# Altium PCB VESC_DEVICE_60100.PcbDoc (continued)
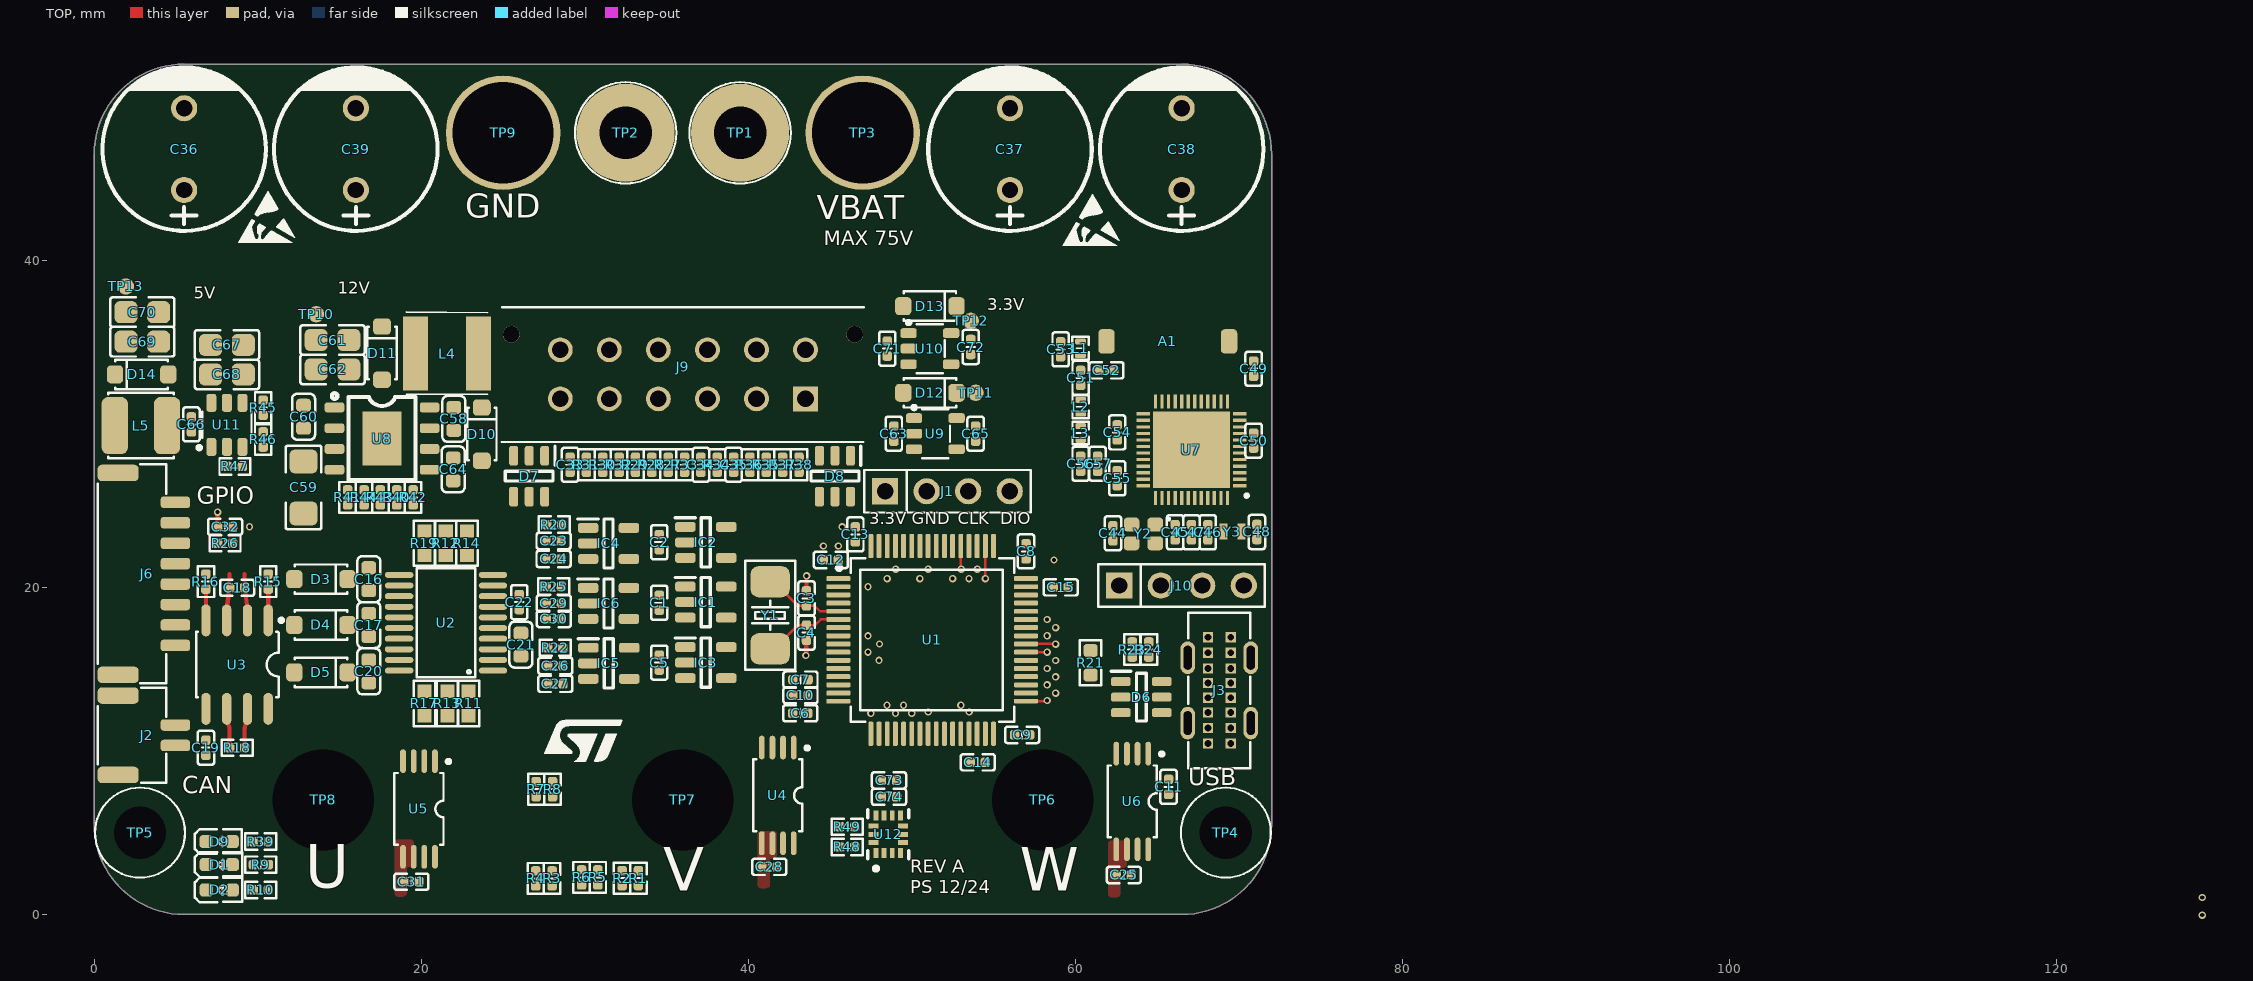
[diagram p0: TOP view]
## Footprints (in the part's own frame and the unit in brackets; to place one, negate y for a bottom-side part, rotate by r counter-clockwise, add the part's x,y. Pads: shape width x height; smd on the part's side, far side on the other; paste and mask are expansions set on the pad) (continued)
  rrect50% 1.475x0.3 smd: 17(5.739,-3.763) 18(5.739,-3.263) 19(5.739,-2.763) 20(5.739,-2.263) 21(5.739,-1.763) 22(5.739,-1.263) 23(5.739,-0.763) 24(5.739,-0.263) 25(5.739,0.237) 26(5.739,0.737) 27(5.739,1.237) 28(5.739,1.737) 29(5.739,2.237) 30(5.739,2.737) 31(5.739,3.237) 32(5.739,3.737) 49(-5.737,3.737) 50(-5.737,3.237) 51(-5.737,2.737) 52(-5.737,2.237) 53(-5.737,1.737) 54(-5.737,1.237) 55(-5.737,0.737) 56(-5.737,0.237) 57(-5.737,-0.263) 58(-5.737,-0.763) 59(-5.737,-1.263) 60(-5.737,-1.763) 61(-5.737,-2.263) 62(-5.737,-2.763) 63(-5.737,-3.263) 64(-5.737,-3.763)
  silkscreen extent -5,-5.83 5,5, body extent -5.97,-6 6.03,6, height 1.31
LQG15WH0N7B02D [mm]
  rrect50% 0.35x0.65 smd: 1(-0.425,0) 2(0.425,0)
  silkscreen extent -0.7,-0.5 0.7,0.5, body extent -0.5,-0.25 0.5,0.25, height 0.55
PQFN50P300X250X88-14N [mm]
  rect 0.6x0.3 smd: 1(-1.15,0.75) 2(-1.15,0.25) 3(-1.15,-0.25) 4(-1.15,-0.75) 8(1.15,-0.75) 9(1.15,-0.25) 10(1.15,0.25) 11(1.15,0.75)
  rect 0.3x0.6 smd: 5(-0.5,-0.9) 6(0,-0.9) 7(0.5,-0.9) 12(0.5,0.9) 13(0,0.9) 14(-0.5,0.9)
  silkscreen extent -2.22,-1.25 1.5,1.25, body extent -1.5,-1.25 1.5,1.25, height 1
Q22FA12800400 [mm]
  rrect50% 0.95x0.85 smd: 1(-0.725,-0.575) 2(0.725,-0.575) 3(0.725,0.575) 4(-0.725,0.575)
  silkscreen extent -1.6,-0.95 -1.5,-0.85, body extent -1.11,-0.91 1.11,0.91, height 0.6
QFN40P600X600X95-49N-D [mm]
  rect 0.85x0.2 smd: 1(-2.95,2.2) 2(-2.95,1.8) 3(-2.95,1.4) 4(-2.95,1) 5(-2.95,0.6) 6(-2.95,0.2) 7(-2.95,-0.2) 8(-2.95,-0.6) 9(-2.95,-1) 10(-2.95,-1.4) 11(-2.95,-1.8) 12(-2.95,-2.2) 25(2.95,-2.2) 26(2.95,-1.8) 27(2.95,-1.4) 28(2.95,-1) 29(2.95,-0.6) 30(2.95,-0.2) 31(2.95,0.2) 32(2.95,0.6) 33(2.95,1) 34(2.95,1.4) 35(2.95,1.8) 36(2.95,2.2)
  rect 0.2x0.85 smd: 13(-2.2,-2.95) 14(-1.8,-2.95) 15(-1.4,-2.95) 16(-1,-2.95) 17(-0.6,-2.95) 18(-0.2,-2.95) 19(0.2,-2.95) 20(0.6,-2.95) 21(1,-2.95) 22(1.4,-2.95) 23(1.8,-2.95) 24(2.2,-2.95) 37(2.2,2.95) 38(1.8,2.95) 39(1.4,2.95) 40(1,2.95) 41(0.6,2.95) 42(0.2,2.95) 43(-0.2,2.95) 44(-0.6,2.95) 45(-1,2.95) 46(-1.4,2.95) 47(-1.8,2.95) 48(-2.2,2.95)
  rect 4.7x4.7 smd: 49(0,0)
  silkscreen extent -3.47,2.7 -3.28,2.9, body extent -3.05,-3.05 3.05,3.05, height 0.95
R0402 [mm] "R0402"
  rrect52% 0.58x0.58 smd mask+0.05: 1(-0.46,0) 2(0.46,0)
  silkscreen extent -0.94,-0.5 0.94,0.5, body extent -0.5,-0.25 0.5,0.25, height 0.4
R0603#1 [mil] "R0603"
  rect 31.7x34 smd: 1(-29.6,0) 2(29.6,0)
  silkscreen extent -54,-26 54,26, body extent -31,-17 31,17, height 20
R0603#2 [mil] "R0603"
  rrect50% 31.7x34 smd: 1(-29.6,0) 2(29.6,0)
  silkscreen extent -55,-26 55,26, body extent -31,-17 31,17, height 20
SHORT [mil] "SHORT"
  rect 30x15 smd far side mask+0: 1(-14.9,0)
  rect 30x15 smd far side paste+0 mask+0: 2(14.9,0)
SMD5032-2P [mil] "SMD5032-2P"
  rrect50% 74.8x94.5 smd: 1(-80.7,0) 2(80.7,0)
  silkscreen extent -131,-60 131,60, body extent -98,-63 98,63, height 56
SMD-2P-1_25 [mil] "SMD-2P-1_25"
  rrect50% 27.6x70.9 smd: 1(-24.6,76.75) 2(24.6,76.75)
  rrect50% 39.4x98.4 smd: 3(-95.5,-61.05) 4(95.5,-61.05)
  silkscreen extent -114,-110 114,55, body extent -113,-109 113,85, height 165
SMD-8P-1_25 [mil] "SMD-8P-1_25"
  rrect50% 27.6x70.9 smd: 1(-172.2,76.75) 2(-123,76.75) 3(-73.8,76.75) 4(-24.6,76.75) 5(24.6,76.75) 6(73.8,76.75) 7(123,76.75) 8(172.2,76.75)
  rrect50% 39.4x98.4 smd: 9(-243.1,-61.05) 10(243.1,-61.05)
  silkscreen extent -264,-110 264,55, body extent -261,-105 261,90, height 163
SOD-123F [mm] "SOD-123F"
  rrect50% 1.001x1.1 smd: 1(-1.628,0) 2(1.628,0)
  silkscreen extent -1.6,-0.9 1.6,0.9, body extent -1.85,-0.9 1.85,0.9, height 1.19
SOP-8 [mil] "SOP-8"
  oval 22.4x76.81 smd: 1(-75,-106.5) 2(-25,-106.5) 3(25,-106.5) 4(75,-106.5) 5(75,106.5) 6(25,106.5) 7(-25,106.5) 8(-75,106.5)
  silkscreen extent -110,-111 98,79, body extent -96,-118 96,118, height 69
SOT95P275X110-5N [mm]
  rrect50% 1.25x0.6 smd: 1(-1.25,0.95) 2(-1.25,0) 3(-1.25,-0.95) 4(1.25,-0.95) 5(1.25,0.95)
  silkscreen extent -1.88,-1.5 0.28,1.5, body extent -1.38,-1.5 1.38,1.5, height 1.1
SOT95P280X145-6N [mm]
  rrect50% 1.2x0.55 smd: 1(-1.25,0.95) 2(-1.25,0) 3(-1.25,-0.95) 4(1.25,-0.95) 5(1.25,0) 6(1.25,0.95)
  silkscreen extent -1.85,-1.46 0.3,1.58, body extent -1.4,-1.46 1.4,1.46, height 1.45
SOT-23-5 [mm] "SOT-23-5"
  rrect50% 1.001x0.599 smd: 1(1.301,-0.95) 2(1.301,0) 3(1.301,0.95) 4(-1.301,0.95) 5(-1.301,-0.95)
  silkscreen extent -0.9,-1.7 1.4,1.5, body extent -1.4,-1.45 1.4,1.45, height 1.3
SOT-23-6 [mm] "SOT-23-6"
  rrect50% 1.1x0.599 smd: 1(1.349,-0.95) 2(1.349,0) 3(1.349,0.95) 4(-1.349,0.95) 5(-1.349,0) 6(-1.349,-0.95)
  silkscreen extent -0.8,-1.8 1.5,1.5, body extent -1.4,-1.45 1.4,1.45, height 0.97
test_point_100_smd [mm] "TEST_POINT_100_SMD"
  round 1 smd paste-100 mask+0.05: 1(0,0)
TSSOP-8 [mm] "TSSOP-8"
  oval 0.353x1.453 smd: 1(-0.975,-2.926) 2(-0.325,-2.926) 3(0.325,-2.926) 4(0.975,-2.926) 5(0.975,2.926) 6(0.325,2.926) 7(-0.325,2.926) 8(-0.975,2.926)
  silkscreen extent -1.9,-3 1.5,2.2, body extent -1.5,-3.2 1.5,3.2, height 1.2
TSSOP-20 [mil] "TSSOP-20"
  oval 14.29x68.58 smd: 1(-115.2,-113) 2(-89.6,-113) 3(-64,-113) 4(-38.4,-113) 5(-12.8,-113) 6(12.8,-113) 7(38.4,-113) 8(64,-113) 9(89.6,-113) 10(115.2,-113) 11(115.2,113) 12(89.6,113) 13(64,113) 14(38.4,113) 15(12.8,113) 16(-12.8,113) 17(-38.4,113) 18(-64,113) 19(-89.6,113) 20(-115.2,113)
  silkscreen extent -132,-70 132,70, body extent -128,-126 128,126, height 47
TYPE-C-TH_16PLC-H10.0 [mm]
  rect 0.62x0.62 hole 0.42 paste-2539.97 mask+0.05: A1(-3.25,0.7) A4(-2.3,0.7) A5(-1.35,0.7) A6(-0.45,0.7) A7(0.45,0.7) A8(1.35,0.7) A9(2.3,0.7) A12(3.25,0.7) B1(3.25,-0.7) B4(2.3,-0.7) B5(1.35,-0.7) B6(0.45,-0.7) B7(-0.45,-0.7) B8(-1.35,-0.7) B9(-2.3,-0.7) B12(-3.25,-0.7)
  oval 2x0.9 hole 0.5 slot 1.45 at 0 deg paste-2539.97 mask+0.05: A2(-2,1.93) A10(2,1.93) B2(2,-1.93) B10(-2,-1.93)
  silkscreen extent -4.75,-1.9 4.75,1.9, body extent -4.47,-2.08 4.47,2.08, height 10

## Part data
A1: library part "Ceramic _ANTENNA", "None", AMBIQ PN=PCB_ANTENNA
C1 C2 C3 C4 C5 C6 C7 C8 C9 C10 C11 C12 C13 C14 C15 C16 C17 C18 C19 C20 C21 C22 C23 C24 C25 C26 C27 C28 C29 C30 C31 C32 C33 C34 C35 C44 C45 C46 C47 C48 C49 C50 C51 C52 C53 C54 C55 C56 C57 C58 C59 C60 C61 C62 C63 C64 C65 C66 C67 C68 C69 C70 C71 C72 C73 C74: library part "CAP NP"
  C1 C2 C3 C4 C5 C6 C7 C8 C9 C10 C11 C12 C13 C14 C15 C18 C19 C22 C23 C24 C25 C26 C27 C28 C29 C30 C31 C32 C33 C34 C35 C44 C45 C46 C47 C48 C49 C50 C51 C52 C53 C54 C55 C56 C57 C63 C65 C66 C71 C72 C73 C74: PCB Footprint=C0402
  C16 C17 C20 C21 C58 C60 C64: PCB Footprint=C0603
  C59: PCB Footprint=C1206
  C61 C62 C67 C68 C69 C70: PCB Footprint=C0805
C36 C37 C38 C39: library part ERS1VM681G16OT, "容值:680uF;精度:±20%;额定电压:35V;纹波电流:-;等效串联电阻:-;", Equivalent Series Resistance(ESR)=-, LCSC Part Name="680uF ±20% 35V", Manufacturer=AISHI(艾华集团), Rated Voltage=35V, Tolerance=±20%, Add into BOM=yes, Convert to PCB=yes, Datasheet=https://atta.szlcsc.com/upload/public/pdf/source/20191015/C438940_4B8E60A742BB0AE40DDEF87A5C89089D.pdf, Device=ERS1VM681G16OT, L=-, Lead Spacing=-, Lifetime @ Temp=-, Manufacturer Part=ERS1VM681G16OT, Ripple Current=-, Supplier=LCSC, Supplier Footprint=插件,D10xL16mm, Supplier Part=C721283, Symbol=ERS1VM681G16OT, φD=-
D1 D2 D9: library part LED, PCB Footprint=LED0603
D3 D4 D5 D10 D11 D12 D13 D14: library part "DIODE SCHOTTKY21", PCB Footprint=SOD-123F
D6 D7 D8: "TVS Diode (Uni-directional)", Manufacturer_Name=LITTELFUSE, Mouser Part Number=576-SRV05-4HTG, Arrow Part Number=SRV05-4HTG, Arrow Price/Stock=https://www.arrow.com/en/products/srv05-4htg/littelfuse?region=nac, Datasheet Link=https://componentsearchengine.com/Datasheets/2/SRV05-4HTG.pdf, Height=1.45mm, Manufacturer_Part_Number=SRV05-4HTG, Mouser Price/Stock=https://www.mouser.co.uk/ProductDetail/Littelfuse/SRV05-4HTG?qs=TI15CVqcli3Liexbf3C%2FVA%3D%3D
IC1 IC2 IC3 IC4 IC5 IC6: "Integrated Circuit", Manufacturer_Name=onsemi, Mouser Part Number=N/A, Datasheet Link=https://pdf1.alldatasheet.com/datasheet-pdf/view/148919/ETL/MC74VHC1GT66.html, Height=1.1mm, Manufacturer_Part_Number=MC74VHC1GT66, Mouser Price/Stock=https://www.mouser.co.uk/ProductDetail/onsemi/MC74VHC1GT66?qs=YA77FY0Msbu77w80Y0DYXA%3D%3D
J3: "连接器类型:Type-C;标准:USB 3.1;公母:母;安装方式:直插;触点数量:16P;端口数量:1;额定电流 - 电源:5A;触头材质:-;触头镀层:-;工作温度范围:-40℃~+85℃;", Core Colour=黑色, Current Rating - Power (Max)=5A, LCSC Part Name="Type-C 母 直插", Manufacturer="SHOU HAN(首韩)", Operating Temperature Range=-40℃~+85℃, Rated Voltage (Max)=20V, Add into BOM=yes, Connect-Disconnect Life=1万次, Connector Type=Type-C, Contact Material=-, Contact Plating=-, Convert to PCB=yes, Datasheet=https://atta.szlcsc.com/upload/public/pdf/source/20240529/CC9428849977884A813B584EA396EFE9.pdf, Device="TYPE-C 16PLC-H10.0", Gender=母, Manufacturer Part="TYPE-C 16PLC-H10.0", Mounting Style=直插, Number of Contacts=16P, Number of Ports=1, Standard="USB 3.1", Supplier=LCSC, Supplier Footprint=插件, Supplier Part=C3151747, Symbol="TYPE-C 16PLC-H10.0"
J4 J5 J7 J8 J11 J12: Color=黑色, Current Rating (Max)=1A, JLCPCB Part Class="Extended Part", LCSC Part Name="2x2P 间距:1.27mm 方针 立贴", Manufacturer=HCTL(华灿天禄), Operating Temperature Range=-40℃~+105℃, Soldering Temperature(Max)=260℃@10S, Add into BOM=yes, Circluar Pins/Square Pins=方针, Contact Material=黄铜, Convert to PCB=yes, Datasheet=https://atta.szlcsc.com/upload/public/pdf/source/20230609/2ACB07ADC7D4DAF6D292F3D23C037F6C.pdf, Device=PZ127-2-02-S, Insulation Height=1.5mm, Length of End Connection Pin=-, Length of Mating Pin=4mm, Manufacturer Part=PZ127-2-02-S, Mounting Type=立贴, Number of Pins=4P, Number of Rows=双排, Pin Structure=2x2P, Pitch=1.27mm, Row Spacing=1.27mm, Supplier=LCSC, Supplier Footprint=SMD,P=1.27mm, Supplier Part=C3975185, Symbol=PZ127-2-02-S
J9: "Connector", Manufacturer_Name=Molex, Mouser Part Number=538-43045-1212, Datasheet Link=https://www.molex.com/pdm_docs/sd/430450612_sd.pdf, Height=9.91mm, Manufacturer_Part_Number=43045-1212, Mouser Price/Stock=https://www.mouser.co.uk/ProductDetail/Molex/43045-1212?qs=359VwiUTsp27ERpkj8aHfQ%3D%3D
JP1 JP2: library part SHORT, "2 PIN SHORTED TO CONNECT DIFFERENT NETS", CLASS=DISCRETE, PART_NUMBER=TMP-442
L1 L2 L3: library part LQG15HS4N7C02D, "Inductor", Manufacturer_Name="Murata Electronics", Mouser Part Number=81-LQG15HS4N7C02D, Arrow Part Number=LQG15HS4N7C02D, Arrow Price/Stock=https://www.arrow.com/en/products/lqg15hs4n7c02d/murata-manufacturing, Datasheet Link=https://search.murata.co.jp/Ceramy/image/img/P02/JELF243B-0010.pdf, Height=0.6mm, Manufacturer_Part_Number=LQG15HS4N7C02D, Mouser Price/Stock=https://www.mouser.co.uk/ProductDetail/Murata-Electronics/LQG15HS4N7C02D?qs=60uY6ySkanQsgm4t8ngjFA%3D%3D
L4: library part 74404054221, "Inductor", Manufacturer_Name="Wurth Elektronik", Mouser Part Number=710-74404054221, Datasheet Link=https://www.mouser.com/datasheet/2/445/74404054221-1280555.pdf, Height=4mm, Manufacturer_Part_Number=74404054221, Mouser Price/Stock=https://www.mouser.co.uk/ProductDetail/Wurth-Elektronik/74404054221?qs=f9yNj16SXrLBSuRgk86STQ%3D%3D
L5: library part INDUCTOR, PCB Footprint=L4020
R1 R2 R3 R4 R5 R6 R7 R8 R9 R10 R11 R12 R13 R14 R15 R16 R17 R18 R19 R20 R21 R22 R23 R24 R25 R26 R27 R28 R29 R30 R31 R32 R33 R34 R35 R36 R37 R38 R39 R40 R41 R42 R43 R44 R45 R46 R47 R48 R49: library part RESISTOR
  R1 R2 R3 R4 R5 R6 R7 R8 R9 R10 R11 R12 R13 R14 R15 R16 R17 R18 R19 R20 R22 R23 R24 R25 R26 R27 R28 R29 R30 R31 R32 R33 R34 R35 R36 R37 R38 R39 R40 R41 R42 R43 R44 R45 R46 R47 R48 R49: PCB Footprint=R0402
  R21: PCB Footprint=R0603
U7: "Integrated Circuit", Arrow Part Number=NRF51822-QFAA-R, Manufacturer_Name="Nordic Semiconductor", Mouser Part Number=949-NRF51822-QFAA-R, Arrow Price/Stock=https://www.arrow.com/en/products/nrf51822-qfaa-r/nordic-semiconductor?utm_currency=USD&region=nac, Datasheet Link=https://datasheet.datasheetarchive.com/originals/distributors/Datasheets-DGA5/435665.pdf, Height=0.95mm, Manufacturer_Part_Number=nRF51822-QFAA-R, Mouser Price/Stock=https://www.mouser.co.uk/ProductDetail/Nordic-Semiconductor/nRF51822-QFAA-R?qs=7xCC5jQa1OJP%2FZdtChopZw%3D%3D
U8: Input Voltage=4.5V~100V, LCSC Part Name=宽输入范围1.2A降压DC-DC转换器, Manufacturer=SCT(芯洲科技), Operating Temperature=-40℃~+125℃@(TJ), Output Current=1.2A, Switching Frequency=300kHz, Add into BOM=yes, Convert to PCB=yes, Datasheet=https://atta.szlcsc.com/upload/public/pdf/source/20211013/6F4F933FB08DD1E1458E8CCC6D5C6936.pdf, Device=SCT2A23ASTER, Function=降压型, Manufacturer Part=SCT2A23ASTER, Number of Outputs=1, Supplier=LCSC, Supplier Footprint=ESOP-8, Supplier Part=C2901894, Switch tube (built-in/external)=内置, Symbol=SCT2A23ASTER
U12: "Integrated Circuit", Manufacturer_Name=BOSCH, Mouser Part Number=262-BMI160, Arrow Part Number=BMI160, Arrow Price/Stock=https://www.arrow.com/en/products/bmi160/bosch?region=nac, Datasheet Link=https://datasheet.datasheetarchive.com/originals/distributors/DKDS41/DSANUWW0031095.pdf, Height=0.88mm, Manufacturer_Part_Number=BMI160, Mouser Price/Stock=https://www.mouser.co.uk/ProductDetail/Bosch-Sensortec/BMI160?qs=Lj1LZLjqIN1DEsUDgjehlg%3D%3D
Y1: library part CRYSTAL, PCB Footprint=SMD5032-2P
Y2: library part Q22FA12800400, "Crystal or Oscillator", Manufacturer_Name="Seiko Epson Corporation", Datasheet Link=https://datasheet.lcsc.com/szlcsc/Seiko-Epson-Q22FA12800400_C255875.pdf, Height=0.5mm, Manufacturer_Part_Number=Q22FA12800400
Y3: library part ABS05-32.768KHZ-9-T, "Crystal or Oscillator", Manufacturer_Name=ABRACON, Mouser Part Number=815-ABS05-32.768K9T, Arrow Part Number=ABS05-32.768KHZ-9-T, Arrow Price/Stock=https://www.arrow.com/en/products/abs05-32.768khz-9-t/abracon?region=nac, Datasheet Link=https://abracon.com/Resonators/ABS05.pdf, Height=0.5mm, Manufacturer_Part_Number=ABS05-32.768KHZ-9-T, Mouser Price/Stock=https://www.mouser.co.uk/ProductDetail/ABRACON/ABS05-32.768KHZ-9-T?qs=Pyu0ZBy%2FIJbsNYnIET1z3A%3D%3D
J1 J10: PCB Footprint=ISP-4P-2_54
J2: PCB Footprint=SMD-2P-1_25
U1: PCB Footprint=LQFP64_10X10_05P
U3: PCB Footprint=SOP-8
U4 U5 U6: PCB Footprint=TSSOP-8
U9 U10: PCB Footprint=SOT-23-5
U11: PCB Footprint=SOT-23-6

## Via types
v1: diameter 0.45, hole 0.25, TOP to BOTTOM, tented both sides, 43 vias

## Nets (pads, with @x,y where several pads share a name; then routed paths per layer and width w, separated by ;. In a path a pad name is that pad's centre, name@x,y a point inside that pad or via, vN(x,y) a via of type N, cw(c..) or ccw(c..) an arc to the next point about the centre after c; other vN are vias at no path point)
3V3: C8.2 C9.2 C10.2 C11.2 C12.2 C13.2 C19.1 C25.2 C28.2 C31.2 C72.1 C73.1 C74.1 D7.5 D8.5 D13.1 IC1.5 IC2.5 IC3.5 IC4.5 IC5.5 IC6.5 J1.1 J6.7 J12.4 R27.2 R28.2 R29.2 R31.2 R37.2 R38.1 R48.2 R49.2 TP12.1 U1.1 U1.13 U1.19 U1.32 U1.48 U1.64 U3.5 U4.5 U4.6 U5.5 U5.6 U6.5 U6.6 U10.5 U12.5 U12.8 U12.12 | length 0.1
  TOP w0.508: U3.5 U3.5@6.832,12.657
  other v1: 48.483,12.792 58.695,21.678 45.506,22.526
3V3_RF: C49.2 C50.2 C55.2 C65.1 D12.1 J10.1 TP11.1 U7.1 U7.12 U7.35 U7.36 U9.5
5V: C18.2 C63.1 C69.1 C70.1 C71.1 D6.5 D14.1 J6.6 L5.2 R21.2 R35.2 R36.1 R46.2 TP13.1 U3.3 U9.1 U9.3 U10.1 U10.3 | length 2.8
  TOP w0.254: U3.3 8.102,18.672 8.102,18.674 8.26,19.836 C18.2@8.277,19.962 ; C18.2 8.277,20.816
12V: C21.2 C22.2 C61.1 C62.1 C67.1 C68.1 D3.2 D4.2 D5.2 D11.1 L4.2 R40.2 R45.2 TP10.1 U2.7 U11.5
ADC_TEMP: J4.4 U1.17
ADC_TEMP2: J5.4 U1.26
ADC_TEMP3: J8.4 U1.27
ADC_VIN: C7.2 R7.1 R8.2 U1.11
  other v1: 47.994,15.538
BMI160_SCL: R49.1 U1.50 U12.13 | length 2
  TOP w0.152: v1(54.494,20.538) U1.50
BMI160_SDA: R48.1 U1.28 U12.14
BUCK_EN: J9.11 R32.2 R41.2
CAN_H: J2.2 R18.1 U3.7 | length 2.2
  TOP w0.254: R18.1@9.197,10.45 9.197,11.309 cw(c9.959,11.309) 9.255,11.602 9.372,11.88 U3.7
CAN_L: J2.1 R18.2 U3.6 | length 2.2
  TOP w0.254: U3.6 8.102,11.88 8.218,11.604 cw(c7.515,11.309) 8.277,11.311 R18.2@8.277,10.45
CAN_RX: R16.2 U1.61
  other v1: 49.009,21.117
CAN_TX: R15.2 U1.62
  other v1: 48.486,20.538
CLK_NRF: J10.3 U7.24
CURRENT_A: C23.2 IC4.1 R20.1 U1.8
  other v1: 47.319,17.038
CURRENT_A_OUT: R20.2 U4.8
CURRENT_B: C26.2 IC5.1 R22.1 U1.9
  other v1: 48.022,16.536
CURRENT_B_OUT: R22.2 U5.8
CURRENT_C: C29.2 IC6.1 R25.1 U1.10
  other v1: 47.319,16.039
CURRENT_C_OUT: R25.2 U6.8
CURRENT_FILTER: IC4.4 IC5.4 IC6.4 U1.54
DIO_NRF: J10.2 U7.23
GHA: J4.1 R17.1
GHB: J8.1 R13.1
GHC: J7.2 R11.1
GLA: J4.2 R19.1
GLB: J8.2 R14.1
GLC: J7.1 R12.1
GND: C3.1 C4.1 C6.2 C7.1 C8.1 C9.1 C10.1 C11.1 C12.1 C13.1 C14.2 C15.2 C18.1 C19.2 C21.1 C22.1 C23.1 C24.1 C25.1 C26.1 C27.1 C28.1 C29.1 C30.1 C31.1 C32.1 C33.2 C34.1 C35.1 C44.2 C45.2 C46.2 C47.2 C48.2 C49.1 C50.1 C52.1 C53.1 C54.1 C55.1 C56.1 C57.1 C59.2 C60.2 C61.2 C62.2 C63.2 C64.2 C65.2 C67.2 C68.2 C69.2 C70.2 C71.2 C72.2 C73.2 C74.2 D1.1 D2.1 D6.2 D7.2 D8.2 D9.1 D10.2 D11.2 D12.2 D13.2 D14.2 IC1.2 IC1.3 IC2.2 IC2.3 IC3.2 IC3.3 IC4.3 IC5.3 IC6.3 J1.2 J2.3 J2.4 J3.A1 J3.A2 J3.A10 J3.A12 J3.B1 J3.B2 J3.B10 J3.B12 J5.2 J6.8 J6.9 J6.10 J9.1 J9.7 J10.4 JP1.1 JP2.1 R2.1 R4.1 R6.1 R8.1 R43.1 R44.1 R47.1 U1.12 U1.18 U1.60 U1.63 U2.8 U3.2 U3.8 U4.4 U4.7 U5.4 U5.7 U6.4 U6.7 U7.13 U7.33 U7.34 U7.49 U8.1 U8.9 U9.2 U10.2 U11.2 U12.1 U12.6 U12.7 Y2.2 Y2.4 | length 5.6
  TOP w0.254: C32.1 7.542,23.711 7.542,24.597 v1(7.544,24.598) ; 9.197,20.816 C18.1 9.215,19.836 9.372,18.672 U3.2 ; v1(43.52,15.831) 43.539,15.85 43.539,16.75 C4.1 ; C3.1 43.561,19.792 43.561,20.698 v1(43.564,20.701)
  other v1: 128.91,-0.04 128.91,1.039 47.494,12.303 52.994,12.792 44.593,22.526 45.746,23.698
HA: U1.41 U2.1
  other v1: 58.278,17.041
HALL_A: D8.1 J9.5 R29.1 U1.37
  other v1: 58.278,15.041
HALL_B: D8.3 J9.4 R28.1 U1.38
  other v1: 58.795,15.529
HALL_C: D8.6 J9.3 R27.1 U1.39 | length 1.3
  TOP w0.152: U1.39 58.23,16.038 ccw(c58.229,16.496) v1(58.278,16.041)
HB: U1.42 U2.2
  other v1: 58.795,17.541
HC: U1.43 U2.3
LA: U1.34 U2.4
  other v1: 58.795,13.533
LB: U1.35 U2.5
  other v1: 58.278,14.035
LC: U1.36 U2.6
  other v1: 58.795,14.53
LED_GREEN: R9.1 U1.57
  other v1: 50.996,21.117
LED_RED: R10.1 U1.59
M_TEMP: C33.1 D8.4 J9.6 R31.1 U1.24
  other v1: 51.002,12.382
MISO_ADC_EXT2: C35.2 D7.1 R34.2 U1.22
  other v1: 49.994,12.303
NetA1_1: A1.1 C53.2 L1.1
NetC1_1: C1.1 IC1.1
NetC2_1: C2.1 IC2.1
NetC3_2: C3.2 U1.5 Y1.2 | length 4.9
  TOP w0.152: Y1.2 41.563,20.345 43.039,18.869 44.064,18.869 44.395,18.538 U1.5
NetC4_2: C4.2 U1.6 Y1.1 | length 4.9
  TOP w0.152: Y1.1 41.586,16.245 43.029,17.689 C4.2 44.082,17.689 44.432,18.038 U1.6
NetC5_1: C5.1 IC3.1
NetC14_1: C14.1 U1.31
NetC15_1: C15.1 U1.47
NetC24_2: C24.2 IC4.2
NetC27_2: C27.2 IC5.2
NetC30_2: C30.2 IC6.2
NetC44_1: C44.1 U7.37 Y2.3
NetC45_1: C45.1 U7.38 Y2.1
NetC46_1: C46.1 U7.45 Y3.2
NetC47_1: C47.1 U7.39
NetC48_1: C48.1 U7.46 Y3.1
NetC51_1: C51.1 C52.2 L1.2
NetC51_2: C51.2 L2.2 U7.32
NetC54_2: C54.2 U7.29
NetC56_2: C56.2 C57.2 L3.1 U7.30
NetC58_1: C58.1 U8.7
NetC58_2: C58.2 D10.1 L4.1 U8.8
NetC64_1: C64.1 U8.6
NetC66_1: C66.1 L5.1 U11.6
NetC66_2: C66.2 U11.1
NetD1_2: D1.2 R9.2
NetD2_2: D2.2 R10.2
NetD9_2: D9.2 R39.1
NetJ3_A4: J3.A4 J3.A9 J3.B4 J3.B9 R21.1
NetJ3_A6: J3.A6 J3.B6 R23.1
NetJ3_A7: J3.A7 J3.B7 R24.1
NetJ5_3: J5.3 JP1.2
NetJ6_3: J6.3 R26.2
NetJ9_2: J9.2 R35.1 R37.1
NetJ9_8: J9.8 R36.2 R38.2
NetJ9_9: J9.9 R34.1
NetJ9_10: J9.10 R33.1
NetJ9_12: J9.12 R30.2
NetL2_1: L2.1 L3.2 U7.31
NetR11_2: R11.2 U2.13
NetR12_2: R12.2 U2.9
NetR13_2: R13.2 U2.16
NetR14_2: R14.2 U2.10
NetR15_1: R15.1 U3.1 | length 1.9
  TOP w0.254: U3.1 10.642,19.757 R15.1
NetR16_1: R16.1 U3.4 | length 1.9
  TOP w0.254: U3.4 6.832,19.757 R16.1
NetR17_2: R17.2 U2.19
NetR19_2: R19.2 U2.11
NetR39_2: R39.2 U7.7
NetR40_1: R40.1 R42.2 R43.2
NetR41_1: R41.1 R44.2 U8.3
NetR42_1: R42.1 U8.5
NetR45_1: R45.1 U11.4
NetR46_1: R46.1 R47.2 U11.3
NRST: C6.1 U1.7
PB12: U1.33 | length 1.3
  TOP w0.152: U1.33 58.202,13.038 ccw(c58.2,13.496) 58.278,13.045 v1(58.278,13.081)
PC9: IC1.4 IC2.4 IC3.4 U1.40 | length 1.8
  TOP w0.152: U1.40 57.643,16.538 58.714,16.538 cw(c58.712,16.081) v1(58.795,16.531)
PC12: U1.53 | length 1.4
  TOP w0.152: U1.53 52.994,21.274 ccw(c53.451,21.274) v1(53.021,21.117)
PGND: C36.2 C37.2 C38.2 C39.2 TP2.1 TP9.1
PHA: J11.3 U4.3
PHB: J12.3 U5.3
PHC: J11.4 U6.3
RX_SDA_NSS: D7.3 J6.1 U1.20 U1.30
  other v1: 48.998,12.303
SCK_ADC_EXT: C34.2 D7.6 R33.2 U1.21
  other v1: 49.494,12.792
SERVO: C32.2 R26.1 U1.58
  other v1: 50.494,20.538 9.5,23.709
SHA: C20.1 J4.3 R5.2 U2.18 U4.2
SHB: C17.1 J8.3 R3.2 U2.15 U5.2
SHC: C16.1 J7.4 R1.2 U2.12 U6.2
SHUTDOWN: R32.1 U1.25
SWCLK: J1.3 U1.49
SWDIO: J1.4 U1.46
TX_SCL_MOSI: D7.4 J6.2 U1.23 U1.29
  other v1: 53.501,12.382
UART_RX: J6.5 U1.52 U7.15
  other v1: 53.494,20.538 54.009,21.117
UART_TX: J6.4 U1.51 U7.17
USB_DM: D6.6 R24.2 U1.44
USB_DP: D6.1 R23.2 U1.45
VB1: C20.2 D5.1 U2.20
VB2: C17.2 D4.1 U2.17
VB3: C16.2 D3.1 U2.14
VBAT: C36.1 C37.1 C38.1 C39.1 TP1.1 TP3.1
VIN: C59.1 C60.1 J5.1 R7.2 R30.1 U8.2
VOLTAGE_A: C1.2 R5.1 R6.2 U1.14
VOLTAGE_B: C2.2 R3.1 R4.2 U1.15
VOLTAGE_C: C5.2 R1.1 R2.2 U1.16
pads on no net: A1.NC D6.3 D6.4 J3.A5 J3.A8 J3.B5 J3.B8 J7.3 J9.13 J9.14 J11.1 J11.2 J12.1 J12.2 JP2.2 TP4.1 TP5.1 TP6.1 TP7.1 TP8.1 U1.2 U1.3 U1.4 U1.55 U1.56 U4.1 U5.1 U6.1 U7.2 U7.3 U7.4 U7.5 U7.6 U7.8 U7.9 U7.10 U7.11 U7.14 U7.16 U7.18 U7.19 U7.20 U7.21 U7.22 U7.25 U7.26 U7.27 U7.28 U7.40 U7.41 U7.42 U7.43 U7.44 U7.47 U7.48 U8.4 U9.4 U10.4 U12.2 U12.3 U12.4 U12.9 U12.10 U12.11
copper on no net:
  other v1: 58.278,18.035 47.319,20.038 52.494,20.538

## Polygon pours and split planes (outlines as drawn)
3V3 on TOP "3V3_L01_P038" (solid, pour order 38): 18.588,1.091 cw(c18.588,1.293) 18.385,1.294 18.385,4.405 cw(c18.538,4.405) 18.538,4.557 19.375,4.557 cw(c19.375,4.404) 19.528,4.404 19.528,3.1 cw(c19.321,3.1) 19.32,2.892 19.249,2.912 ccw(c19.249,2.779) 19.116,2.779 19.116,1.306 cw(c18.901,1.306) 18.901,1.091
3V3 on TOP "3V3_L01_P037" (solid, pour order 37): 62.212,1.039 cw(c62.212,1.242) 62.01,1.242 62.01,4.353 cw(c62.163,4.353) 62.163,4.506 63,4.506 cw(c63,4.352) 63.153,4.352 63.153,3.048 cw(c62.966,3.048) 62.966,2.86 62.874,2.86 ccw(c62.874,2.727) 62.74,2.727 62.74,1.254 cw(c62.526,1.254) 62.526,1.04
3V3 on TOP "3V3_L01_P012" (solid, pour order 12): 40.792,1.614 cw(c40.792,1.816) 40.59,1.816 40.59,4.927 cw(c40.743,4.927) 40.743,5.08 41.58,5.08 cw(c41.58,4.926) 41.733,4.926 41.733,3.622 cw(c41.546,3.622) 41.545,3.434 41.454,3.434 ccw(c41.454,3.301) 41.32,3.301 41.32,1.828 cw(c41.106,1.828) 41.106,1.614
no net on Top Overlay "Bottom Overlay-No Net" (solid): 225 vertices, not listed, extent 28.944,9.351 30.763,11.053
no net on Top Overlay "Bottom Overlay-No Net" (solid): 192 vertices, not listed, extent 30.58,9.352 31.954,11.053
no net on Top Overlay "Bottom Overlay-No Net" (solid): 256 vertices, not listed, extent 27.53,9.814 32.299,11.891

## Keep-outs
Keep-Out Layer:
  lines w0.025: 66.5,52 cw(c66.5,46.5) 72,46.5 72,5.5 cw(c66.5,5.5) 66.5,0 5.5,0 cw(c5.5,5.5) 0,5.5 0,46.5 cw(c5.5,46.5) 5.5,52 66.5,52 ; 66.5,52 66.5,52

## Silkscreen, mask and mechanical layers (free items; w line width, h text height)
Top Overlay:
  drawing of 6 lines, arcs and shapes, not listed
  text "GND" at 22.7,42.127 h2.54
  text "VBAT" at 44.2,42.027 h2.54
  text "MAX 75V" at 44.6,40.616 h1.52
  text "12V" at 14.901,37.713 h1.27
  text "5V" at 6.101,37.413 h1.27
  text "3.3V" at 54.6,36.713 h1.27
  text "GPIO" at 6.26,24.738 h1.78
  text "3.3V" at 47.4,23.613 h1.27
  text "GND" at 50,23.613 h1.27
  text "CLK" at 52.8,23.613 h1.27
  text "DIO" at 55.4,23.613 h1.27
  text "USB" at 66.895,7.538 h1.78
  text "CAN" at 5.395,7.038 h1.78
  text "REV A" at 49.89,2.541 h0.8
  text "PS 12/24" at 49.901,1.3 h0.8
  text "U" at 12.9,0.749 h4.57
  text "V" at 34.8,0.549 h4.57
  text "W" at 56.6,0.549 h4.57
Bottom Overlay:
  text "ADC1" at 30.5,36.016 h1.52
  text "ADC2" at 34.7,36.016 h1.52
  text "GND" at 38.2,36.016 h1.52
  text "P_EN" at 42.4,36.016 h1.52
  text "GND" at 27.7,29.364 h1.52
  text "5V" at 30.699,29.364 h1.52
  text "H_A" at 34,29.364 h1.52
  text "H_B" at 37.3,29.364 h1.52
  text "H_C" at 40.4,29.364 h1.52
  text "TEMP" at 44.599,29.38 h1.52
  text "3.3V" at 48.1,29.364 h1.52
  text "Field-oriented controlleer" at 49.689,22.21 h2.54
DESIGN_OUTLINE:
  circle w0.127: c25,47.8 r3.1
  circle w0.127: c69.2,5 r1.6
  circle w0.127: c58,7 r3.25
  circle w0.127: c36,7 r3.25
  circle w0.127: c14,7 r3.25
  circle w0.127: c47,47.8 r3.1
  circle w0.127: c2.8,5 r1.6
DRAWING_ORIGIN:
  lines w0.025: 10.865,2.5 12.135,2.5 ; 11.5,1.865 11.5,3.135
Drill Drawing:
  circle w0.254: c15.525,66.06 r0.7
  lines w0.254: 14.825,68.509 15.525,68.859 16.224,68.509 15.874,69.208 16.224,69.908 15.525,69.558 14.825,69.908 15.175,69.208 14.825,68.509 ; 14.825,71.657 14.825,72.007 15.175,72.357 14.825,72.707 14.825,73.057 15.175,73.057 15.525,72.707 15.874,73.057 16.224,73.057 16.224,72.707 15.874,72.357 16.224,72.007 16.224,71.657 15.874,71.657 15.525,72.007 15.175,71.657 14.825,71.657 ; 14.825,75.506 15.525,74.806 16.224,75.506 15.525,76.205 14.825,75.506 ; 14.825,78.304 15.175,78.304 15.175,77.954 15.874,77.954 15.874,78.304 16.224,78.304 16.224,79.004 15.874,79.004 15.874,79.354 15.175,79.354 15.175,79.004 14.825,79.004 14.825,78.304 ; 14.825,82.502 16.224,82.502 15.525,81.103 14.825,82.502 ; 14.825,84.601 15.175,84.601 15.525,84.251 15.874,84.601 16.224,84.601 15.874,84.951 16.224,85.301 15.874,85.301 15.525,85.651 15.175,85.301 14.825,85.301 15.175,84.951 14.825,84.601 ; 14.825,88.799 16.224,88.799 15.525,87.4 14.825,88.799 ; 14.825,90.548 16.224,90.548 16.224,91.948 14.825,91.948 14.825,90.548 ; 14.825,94.047 15.175,94.047 15.525,93.697 15.874,94.047 16.224,94.047 15.874,94.397 16.224,94.746 15.874,94.746 15.525,95.096 15.175,94.746 14.825,94.746 15.175,94.397 14.825,94.047 ; 15.105,82.222 15.944,82.222 15.525,81.383 15.105,82.222 ; 15.105,84.741 15.315,84.741 15.525,84.531 15.734,84.741 15.944,84.741 15.734,84.951 15.944,85.161 15.734,85.161 15.525,85.371 15.315,85.161 15.105,85.161 15.315,84.951 15.105,84.741 ; 15.105,90.828 15.944,90.828 15.944,91.668 15.105,91.668 15.105,90.828
  lines w0.381: 13.556,64.416 119.83,64.416 ; 13.556,95.901 119.83,95.901 ; 21.652,61.267 21.652,99.049 ; 28.969,61.267 28.969,99.049 ; 43.616,61.267 43.616,99.049 ; 49.895,61.267 49.895,99.049 ; 59.036,61.267 59.036,99.049 ; 71.541,61.267 71.541,99.049 ; 79.03,61.267 79.03,99.049 ; 88.816,61.267 88.816,99.049 ; 102.692,61.267 102.692,99.049 ; 13.556,61.267 119.83,61.267 119.83,99.049 13.556,99.049 13.556,61.267
  text "Symbol" at 15.445,96.845 h1.83
  text "Count" at 22.597,96.845 h1.83
  text "Hole Size" at 29.913,96.845 h1.83
  text "Plated" at 44.561,96.845 h1.83
  text "Hole Type" at 50.84,96.845 h1.83
  text "Drill Layer Pair" at 59.981,96.845 h1.83
  text "Via/Pad" at 72.486,96.845 h1.83
  text "Pad Shape" at 79.975,96.845 h1.83
  text "Hole Length" at 89.761,96.845 h1.83
  text "Routed Path Length" at 103.637,96.845 h1.83
  text "2" at 22.597,93.697 h1.52
  text "40.16mil (1.020mm)" at 29.913,93.697 h1.52
  text "NPTH" at 44.561,93.697 h1.52
  text "Round" at 50.84,93.697 h1.52
  text "TOP - BOTTOM" at 59.981,93.697 h1.52
  text "Pad" at 72.486,93.697 h1.52
  text "Rounded" at 79.975,93.697 h1.52
  text "-" at 89.761,93.697 h1.52
  text "-" at 103.637,93.697 h1.52
  text "2" at 22.597,90.548 h1.52
  text "125.98mil (3.200mm)" at 29.913,90.548 h1.52
  text "NPTH" at 44.561,90.548 h1.52
  text "Round" at 50.84,90.548 h1.52
  text "TOP - BOTTOM" at 59.981,90.548 h1.52
  text "Pad" at 72.486,90.548 h1.52
  text "Rounded" at 79.975,90.548 h1.52
  text "-" at 89.761,90.548 h1.52
  text "-" at 103.637,90.548 h1.52
  text "2" at 22.597,87.4 h1.52
  text "125.98mil (3.200mm)" at 29.913,87.4 h1.52
  text "PTH" at 44.561,87.4 h1.52
  text "Round" at 50.84,87.4 h1.52
  text "TOP - BOTTOM" at 59.981,87.4 h1.52
  text "Pad" at 72.486,87.4 h1.52
  text "Rounded" at 79.975,87.4 h1.52
  text "-" at 89.761,87.4 h1.52
  text "-" at 103.637,87.4 h1.52
  text "2" at 22.597,84.251 h1.52
  text "244.10mil (6.200mm)" at 29.913,84.251 h1.52
  text "PTH" at 44.561,84.251 h1.52
  text "Round" at 50.84,84.251 h1.52
  text "TOP - BOTTOM" at 59.981,84.251 h1.52
  text "Pad" at 72.486,84.251 h1.52
  text "Rounded" at 79.975,84.251 h1.52
  text "-" at 89.761,84.251 h1.52
  text "-" at 103.637,84.251 h1.52
  text "3" at 22.597,81.103 h1.52
  text "244.10mil (6.200mm)" at 29.913,81.103 h1.52
  text "NPTH" at 44.561,81.103 h1.52
  text "Round" at 50.84,81.103 h1.52
  text "TOP - BOTTOM" at 59.981,81.103 h1.52
  text "Pad" at 72.486,81.103 h1.52
  text "Rounded" at 79.975,81.103 h1.52
  text "-" at 89.761,81.103 h1.52
  text "-" at 103.637,81.103 h1.52
  text "4" at 22.597,77.954 h1.52
  text "19.69mil (0.500mm)" at 29.913,77.954 h1.52
  text "PTH" at 44.561,77.954 h1.52
  text "Slot" at 50.84,77.954 h1.52
  text "TOP - BOTTOM" at 59.981,77.954 h1.52
  text "Pad" at 72.486,77.954 h1.52
  text "Rounded" at 79.975,77.954 h1.52
  text "57.09mil (1.450mm)" at 89.761,77.954 h1.52
  text "37.40mil (0.950mm)" at 103.637,77.954 h1.52
  text "12" at 22.597,74.806 h1.52
  text "40.16mil (1.020mm)" at 29.913,74.806 h1.52
  text "PTH" at 44.561,74.806 h1.52
  text "Round" at 50.84,74.806 h1.52
  text "TOP - BOTTOM" at 59.981,74.806 h1.52
  text "Pad" at 72.486,74.806 h1.52
  text "(Mixed)" at 79.975,74.806 h1.52
  text "-" at 89.761,74.806 h1.52
  text "-" at 103.637,74.806 h1.52
  text "16" at 22.597,71.657 h1.52
  text "16.54mil (0.420mm)" at 29.913,71.657 h1.52
  text "PTH" at 44.561,71.657 h1.52
  text "Round" at 50.84,71.657 h1.52
  text "TOP - BOTTOM" at 59.981,71.657 h1.52
  text "Pad" at 72.486,71.657 h1.52
  text "Rectangle" at 79.975,71.657 h1.52
  text "-" at 89.761,71.657 h1.52
  text "-" at 103.637,71.657 h1.52
  text "16" at 22.597,68.509 h1.52
  text "39.37mil (1.000mm)" at 29.913,68.509 h1.52
  text "PTH" at 44.561,68.509 h1.52
  text "Round" at 50.84,68.509 h1.52
  text "TOP - BOTTOM" at 59.981,68.509 h1.52
  text "Pad" at 72.486,68.509 h1.52
  text "(Mixed)" at 79.975,68.509 h1.52
  text "-" at 89.761,68.509 h1.52
  text "-" at 103.637,68.509 h1.52
  text "43" at 22.597,65.36 h1.52
  text "9.84mil (0.250mm)" at 29.913,65.36 h1.52
  text "PTH" at 44.561,65.36 h1.52
  text "Round" at 50.84,65.36 h1.52
  text "TOP - BOTTOM" at 59.981,65.36 h1.52
  text "Via" at 72.486,65.36 h1.52
  text "Rounded" at 79.975,65.36 h1.52
  text "-" at 89.761,65.36 h1.52
  text "-" at 103.637,65.36 h1.52
  text "102 Total" at 22.597,62.212 h1.52
  text "Slot definitions :" at 15.445,60.008 h1.52
  text "Routed Path Length" at 25.809,60.008 h1.52
  text "= Calculated from tool start centre position to tool end centre position." at 38.652,60.008 h1.52
  text "Hole Length" at 25.809,58.748 h1.52
  text "= Routed Path Length + Tool Size = Slot length as defined in the PCB layout" at 33.885,58.748 h1.52

## Text inside footprints (layer, text, board x,y; h text height)
C1: PIN_NUMBER "2" at 34.303,18.806 h0.64 r270; PIN_NUMBER "1" at 34.303,19.695 h0.64 r270
C2: PIN_NUMBER "1" at 34.811,22.128 h0.64 r90; PIN_NUMBER "2" at 34.811,23.017 h0.64 r90
C3: PIN_NUMBER "2" at 43.303,19.075 h0.64 r270; PIN_NUMBER "1" at 43.303,19.964 h0.64 r270
C4: PIN_NUMBER "2" at 43.811,17.483 h0.64 r90; PIN_NUMBER "1" at 43.811,16.594 h0.64 r90
C5: PIN_NUMBER "2" at 34.303,15.146 h0.64 r270; PIN_NUMBER "1" at 34.303,16.035 h0.64 r270
C6: PIN_NUMBER "2" at 42.923,12.557 h0.64 r180; PIN_NUMBER "1" at 43.812,12.557 h0.64 r180
C7: PIN_NUMBER "1" at 42.556,14.105 h0.64; PIN_NUMBER "2" at 43.445,14.105 h0.64
C8: PIN_NUMBER "1" at 56.728,22.835 h0.64 r270; PIN_NUMBER "2" at 56.728,21.946 h0.64 r270
C9: PIN_NUMBER "1" at 57.381,11.232 h0.64 r180; PIN_NUMBER "2" at 56.492,11.232 h0.64 r180
C10: PIN_NUMBER "1" at 42.556,13.145 h0.64; PIN_NUMBER "2" at 43.445,13.145 h0.64
C11: PIN_NUMBER "1" at 65.446,8.435 h0.64 r270; PIN_NUMBER "2" at 65.446,7.546 h0.64 r270
C12: PIN_NUMBER "2" at 45.3,21.424 h0.64; PIN_NUMBER "1" at 44.411,21.424 h0.64
C13: PIN_NUMBER "1" at 46.292,23.873 h0.64 r270; PIN_NUMBER "2" at 46.292,22.984 h0.64 r270
C14: PIN_NUMBER "1" at 54.669,9.554 h0.64 r180; PIN_NUMBER "2" at 53.78,9.554 h0.64 r180
C15: PIN_NUMBER "1" at 58.465,19.746 h0.64; PIN_NUMBER "2" at 59.354,19.746 h0.64
C16: PIN_NUMBER "1" at 17.049,21.202 h0.64 r270; PIN_NUMBER "2" at 17.049,19.8 h0.64 r270
C17: PIN_NUMBER "1" at 17.049,18.4 h0.64 r270; PIN_NUMBER "2" at 17.049,16.998 h0.64 r270
C18: PIN_NUMBER "2" at 8.483,20.229 h0.64 r180; PIN_NUMBER "1" at 9.372,20.229 h0.64 r180
C19: PIN_NUMBER "1" at 6.578,10.831 h0.64 r270; PIN_NUMBER "2" at 6.578,9.942 h0.64 r270
C20: PIN_NUMBER "2" at 17.049,14.16 h0.64 r270; PIN_NUMBER "1" at 17.049,15.562 h0.64 r270
C21: PIN_NUMBER "2" at 25.841,17.2 h0.64 r90; PIN_NUMBER "1" at 25.841,15.798 h0.64 r90
C22: PIN_NUMBER "1" at 25.741,19.735 h0.64 r270; PIN_NUMBER "2" at 25.741,18.846 h0.64 r270
C23: PIN_NUMBER "2" at 28.342,22.588 h0.64; PIN_NUMBER "1" at 27.453,22.588 h0.64
C24: PIN_NUMBER "2" at 28.342,21.482 h0.64; PIN_NUMBER "1" at 27.453,21.482 h0.64
C25: PIN_NUMBER "2" at 62.709,2.667 h0.64 r180; PIN_NUMBER "1" at 63.598,2.667 h0.64 r180
C26: PIN_NUMBER "2" at 28.454,14.946 h0.64; PIN_NUMBER "1" at 27.565,14.946 h0.64
C27: PIN_NUMBER "2" at 28.454,13.846 h0.64; PIN_NUMBER "1" at 27.565,13.846 h0.64
C28: PIN_NUMBER "1" at 41.918,3.163 h0.64 r180; PIN_NUMBER "2" at 41.029,3.163 h0.64 r180
C29: PIN_NUMBER "1" at 27.473,18.766 h0.64; PIN_NUMBER "2" at 28.362,18.766 h0.64
C30: PIN_NUMBER "1" at 27.473,17.816 h0.64; PIN_NUMBER "2" at 28.362,17.816 h0.64
C31: PIN_NUMBER "2" at 19.144,2.257 h0.64 r180; PIN_NUMBER "1" at 20.033,2.257 h0.64 r180
C32: PIN_NUMBER "2" at 8.255,23.455 h0.64; PIN_NUMBER "1" at 7.366,23.455 h0.64
C33: PIN_NUMBER "2" at 28.846,27.246 h0.64 r270; PIN_NUMBER "1" at 28.846,28.135 h0.64 r270
C34: PIN_NUMBER "1" at 37.354,26.865 h0.64 r90; PIN_NUMBER "2" at 37.354,27.754 h0.64 r90
C35: PIN_NUMBER "1" at 39.354,26.865 h0.64 r90; PIN_NUMBER "2" at 39.354,27.754 h0.64 r90
C44: PIN_NUMBER "1" at 62.554,22.669 h0.64 r90; PIN_NUMBER "2" at 62.554,23.558 h0.64 r90
C45: PIN_NUMBER "1" at 65.846,24.003 h0.64 r270; PIN_NUMBER "2" at 65.846,23.114 h0.64 r270
C46: PIN_NUMBER "1" at 67.846,24.003 h0.64 r270; PIN_NUMBER "2" at 67.846,23.114 h0.64 r270
C47: PIN_NUMBER "1" at 66.846,24.003 h0.64 r270; PIN_NUMBER "2" at 66.846,23.114 h0.64 r270
C48: PIN_NUMBER "1" at 70.85,24.022 h0.64 r270; PIN_NUMBER "2" at 70.85,23.133 h0.64 r270
C49: PIN_NUMBER "1" at 70.646,34.009 h0.64 r270; PIN_NUMBER "2" at 70.646,33.12 h0.64 r270
C50: PIN_NUMBER "1" at 70.646,29.609 h0.64 r270; PIN_NUMBER "2" at 70.646,28.72 h0.64 r270
C51: PIN_NUMBER "1" at 60.068,33.447 h0.64 r270; PIN_NUMBER "2" at 60.068,32.558 h0.64 r270
C52: PIN_NUMBER "1" at 62.535,33.526 h0.64 r180; PIN_NUMBER "2" at 61.646,33.526 h0.64 r180
C53: PIN_NUMBER "1" at 59.354,33.919 h0.64 r90; PIN_NUMBER "2" at 59.354,34.808 h0.64 r90
C54: PIN_NUMBER "1" at 62.304,30.109 h0.64 r270; PIN_NUMBER "2" at 62.304,29.22 h0.64 r270
C55: PIN_NUMBER "1" at 62.304,27.309 h0.64 r270; PIN_NUMBER "2" at 62.304,26.42 h0.64 r270
C56: PIN_NUMBER "1" at 60.576,26.924 h0.64 r90; PIN_NUMBER "2" at 60.576,27.813 h0.64 r90
C57: PIN_NUMBER "1" at 61.613,26.924 h0.64 r90; PIN_NUMBER "2" at 61.613,27.813 h0.64 r90
C58: PIN_NUMBER "2" at 21.739,31.005 h0.64 r90; PIN_NUMBER "1" at 21.739,29.603 h0.64 r90
C59: PIN_NUMBER "1" at 11.992,27.608 h0.64 r270; PIN_NUMBER "2" at 11.992,24.306 h0.64 r270
C60: PIN_NUMBER "2" at 12.546,31.137 h0.64 r90; PIN_NUMBER "1" at 12.546,29.735 h0.64 r90
C61: PIN_NUMBER "2" at 15.319,35.127 h0.64; PIN_NUMBER "1" at 13.317,35.127 h0.64
C62: PIN_NUMBER "2" at 15.319,33.327 h0.64; PIN_NUMBER "1" at 13.317,33.327 h0.64
C63: PIN_NUMBER "1" at 49.154,28.765 h0.64 r90; PIN_NUMBER "2" at 49.154,29.654 h0.64 r90
C64: PIN_NUMBER "2" at 22.208,26.517 h0.64 r270; PIN_NUMBER "1" at 22.208,27.919 h0.64 r270
C65: PIN_NUMBER "1" at 53.646,30.035 h0.64 r270; PIN_NUMBER "2" at 53.646,29.146 h0.64 r270
C66: PIN_NUMBER "1" at 5.691,30.599 h0.64 r270; PIN_NUMBER "2" at 5.691,29.71 h0.64 r270
C67: PIN_NUMBER "1" at 9.372,34.83 h0.64 r180; PIN_NUMBER "2" at 7.37,34.83 h0.64 r180
C68: PIN_NUMBER "1" at 9.372,33.024 h0.64 r180; PIN_NUMBER "2" at 7.37,33.024 h0.64 r180
C69: PIN_NUMBER "1" at 1.686,35.024 h0.64; PIN_NUMBER "2" at 3.687,35.024 h0.64
C70: PIN_NUMBER "1" at 1.686,36.83 h0.64; PIN_NUMBER "2" at 3.687,36.83 h0.64
C71: PIN_NUMBER "2" at 48.246,34.346 h0.64 r270; PIN_NUMBER "1" at 48.246,35.235 h0.64 r270
C72: PIN_NUMBER "2" at 53.346,34.446 h0.64 r270; PIN_NUMBER "1" at 53.346,35.335 h0.64 r270
C73: PIN_NUMBER "2" at 48.349,8.451 h0.64 r180; PIN_NUMBER "1" at 49.238,8.451 h0.64 r180
C74: PIN_NUMBER "2" at 48.349,7.451 h0.64 r180; PIN_NUMBER "1" at 49.238,7.451 h0.64 r180
D1: PIN_NUMBER "2" at 8.651,3.254 h0.64; PIN_NUMBER "1" at 7.05,3.254 h0.64
D2: PIN_NUMBER "1" at 7.05,1.705 h0.64; PIN_NUMBER "2" at 8.651,1.705 h0.64
D3: PIN_NUMBER "1" at 15.266,21.209 h0.64 r180; PIN_NUMBER "2" at 12.066,21.209 h0.64 r180
D4: PIN_NUMBER "1" at 15.266,18.409 h0.64 r180; PIN_NUMBER "2" at 12.066,18.409 h0.64 r180
D5: PIN_NUMBER "1" at 15.266,15.509 h0.64 r180; PIN_NUMBER "2" at 12.066,15.509 h0.64 r180
D9: PIN_NUMBER "1" at 7.043,4.664 h0.64; PIN_NUMBER "2" at 8.643,4.664 h0.64
D10: PIN_NUMBER "2" at 22.991,27.571 h0.64 r270; PIN_NUMBER "1" at 22.991,30.771 h0.64 r270
D11: PIN_NUMBER "2" at 16.891,32.527 h0.64 r270; PIN_NUMBER "1" at 16.891,35.728 h0.64 r270
D12: PIN_NUMBER "1" at 52.507,32.609 h0.64 r180; PIN_NUMBER "2" at 49.306,32.609 h0.64 r180
D13: PIN_NUMBER "2" at 49.299,37.909 h0.64 r180; PIN_NUMBER "1" at 52.499,37.909 h0.64 r180
D14: PIN_NUMBER "1" at 1.5,32.315 h0.64; PIN_NUMBER "2" at 4.701,32.315 h0.64
J1: PIN_NUMBER "1" at 49.084,25.578 h0.64; PIN_NUMBER "3" at 54.084,25.478 h0.64; PIN_NUMBER "2" at 51.684,25.578 h0.64; PIN_NUMBER "4" at 56.684,25.478 h0.64
J2: PIN_NUMBER "2" at 4.814,10.566 h0.64 r270; PIN_NUMBER "1" at 4.913,11.966 h0.64 r270; PIN_NUMBER "4" at 1.214,8.966 h0.64 r270; PIN_NUMBER "3" at 1.413,13.665 h0.64 r270
J6: PIN_NUMBER "7" at 4.715,18.034 h0.64 r270; PIN_NUMBER "8" at 4.715,16.832 h0.64 r270; PIN_NUMBER "5" at 4.715,20.533 h0.64 r270; PIN_NUMBER "2" at 4.715,24.234 h0.64 r270; PIN_NUMBER "3" at 4.715,23.134 h0.64 r270; PIN_NUMBER "4" at 4.715,21.834 h0.64 r270; PIN_NUMBER "10" at 1.214,15.341 h0.64 r270; PIN_NUMBER "6" at 4.715,19.233 h0.64 r270; PIN_NUMBER "9" at 1.113,27.333 h0.64 r270; PIN_NUMBER "1" at 4.715,25.534 h0.64 r270
J10: PIN_NUMBER "4" at 70.998,19.714 h0.64; PIN_NUMBER "2" at 65.998,19.814 h0.64; PIN_NUMBER "3" at 68.398,19.714 h0.64; PIN_NUMBER "1" at 63.398,19.814 h0.64
L5: PIN_NUMBER "2" at 1.561,30.196 h0.64 r180; PIN_NUMBER "1" at 4.863,30.196 h0.64 r180
R1: PIN_NUMBER "1" at 33.533,2.652 h0.64 r270; PIN_NUMBER "2" at 33.533,1.788 h0.64 r270
R2: PIN_NUMBER "1" at 32.025,1.788 h0.64 r90; PIN_NUMBER "2" at 32.025,2.652 h0.64 r90
R3: PIN_NUMBER "1" at 28.251,2.631 h0.64 r270; PIN_NUMBER "2" at 28.251,1.768 h0.64 r270
R4: PIN_NUMBER "1" at 26.743,1.768 h0.64 r90; PIN_NUMBER "2" at 26.743,2.631 h0.64 r90
R5: PIN_NUMBER "1" at 31.054,2.692 h0.64 r270; PIN_NUMBER "2" at 31.054,1.828 h0.64 r270
R6: PIN_NUMBER "1" at 29.546,1.828 h0.64 r90; PIN_NUMBER "2" at 29.546,2.692 h0.64 r90
R7: PIN_NUMBER "2" at 27.281,7.228 h0.64 r270; PIN_NUMBER "1" at 27.281,8.092 h0.64 r270
R8: PIN_NUMBER "2" at 27.773,8.092 h0.64 r90; PIN_NUMBER "1" at 27.773,7.228 h0.64 r90
R9: PIN_NUMBER "2" at 9.758,2.792 h0.64 r180; PIN_NUMBER "1" at 10.622,2.792 h0.64 r180
R10: PIN_NUMBER "2" at 9.758,1.242 h0.64 r180; PIN_NUMBER "1" at 10.622,1.242 h0.64 r180
R11: PIN_NUMBER "2" at 23.096,14.409 h0.64 r90; PIN_NUMBER "1" at 23.096,12.809 h0.64 r90
R12: PIN_NUMBER "2" at 21.294,21.191 h0.64 r270; PIN_NUMBER "1" at 21.294,22.791 h0.64 r270
R13: PIN_NUMBER "2" at 21.796,14.409 h0.64 r90; PIN_NUMBER "1" at 21.796,12.809 h0.64 r90
R14: PIN_NUMBER "2" at 22.594,21.191 h0.64 r270; PIN_NUMBER "1" at 22.594,22.791 h0.64 r270
R15: PIN_NUMBER "2" at 10.388,20.788 h0.64 r90; PIN_NUMBER "1" at 10.388,19.925 h0.64 r90
R16: PIN_NUMBER "1" at 6.578,19.925 h0.64 r90; PIN_NUMBER "2" at 6.578,20.788 h0.64 r90
R17: PIN_NUMBER "2" at 20.396,14.409 h0.64 r90; PIN_NUMBER "1" at 20.396,12.809 h0.64 r90
R18: PIN_NUMBER "2" at 8.305,9.942 h0.64 r180; PIN_NUMBER "1" at 9.169,9.942 h0.64 r180
R19: PIN_NUMBER "2" at 19.994,21.191 h0.64 r270; PIN_NUMBER "1" at 19.994,22.791 h0.64 r270
R20: PIN_NUMBER "2" at 27.706,23.585 h0.64 r180; PIN_NUMBER "1" at 28.569,23.585 h0.64 r180
R21: PIN_NUMBER "1" at 60.733,15.482 h0.64 r270; PIN_NUMBER "2" at 60.733,13.882 h0.64 r270
R22: PIN_NUMBER "2" at 27.768,16.05 h0.64 r180; PIN_NUMBER "1" at 28.632,16.05 h0.64 r180
R23: PIN_NUMBER "2" at 63.734,15.769 h0.64 r270; PIN_NUMBER "1" at 63.734,16.632 h0.64 r270
R24: PIN_NUMBER "1" at 64.75,16.632 h0.64 r270; PIN_NUMBER "2" at 64.75,15.769 h0.64 r270
R25: PIN_NUMBER "1" at 28.54,19.8 h0.64 r180; PIN_NUMBER "2" at 27.676,19.8 h0.64 r180
R26: PIN_NUMBER "2" at 7.569,22.446 h0.64 r180; PIN_NUMBER "1" at 8.433,22.446 h0.64 r180
R27: PIN_NUMBER "1" at 35.354,27.932 h0.64 r270; PIN_NUMBER "2" at 35.354,27.068 h0.64 r270
R28: PIN_NUMBER "2" at 34.354,27.068 h0.64 r270; PIN_NUMBER "1" at 34.354,27.932 h0.64 r270
R29: PIN_NUMBER "1" at 33.354,27.932 h0.64 r270; PIN_NUMBER "2" at 33.354,27.068 h0.64 r270
R30: PIN_NUMBER "2" at 30.846,27.932 h0.64 r90; PIN_NUMBER "1" at 30.846,27.068 h0.64 r90
R31: PIN_NUMBER "1" at 30.354,27.932 h0.64 r270; PIN_NUMBER "2" at 30.354,27.068 h0.64 r270
R32: PIN_NUMBER "1" at 31.846,27.068 h0.64 r90; PIN_NUMBER "2" at 31.846,27.932 h0.64 r90
R33: PIN_NUMBER "2" at 36.354,27.068 h0.64 r270; PIN_NUMBER "1" at 36.354,27.932 h0.64 r270
R34: PIN_NUMBER "2" at 38.354,27.068 h0.64 r270; PIN_NUMBER "1" at 38.354,27.932 h0.64 r270
R35: PIN_NUMBER "2" at 41.354,27.068 h0.64 r270; PIN_NUMBER "1" at 41.354,27.932 h0.64 r270
R36: PIN_NUMBER "2" at 39.846,27.932 h0.64 r90; PIN_NUMBER "1" at 39.846,27.068 h0.64 r90
R37: PIN_NUMBER "2" at 42.354,27.068 h0.64 r270; PIN_NUMBER "1" at 42.354,27.932 h0.64 r270
R38: PIN_NUMBER "2" at 42.846,27.932 h0.64 r90; PIN_NUMBER "1" at 42.846,27.068 h0.64 r90
R39: PIN_NUMBER "1" at 9.758,4.71 h0.64; PIN_NUMBER "2" at 10.622,4.71 h0.64
R40: PIN_NUMBER "2" at 18.754,25.068 h0.64 r270; PIN_NUMBER "1" at 18.754,25.932 h0.64 r270
R41: PIN_NUMBER "2" at 15.746,25.068 h0.64 r270; PIN_NUMBER "1" at 15.746,25.932 h0.64 r270
R42: PIN_NUMBER "2" at 19.246,25.932 h0.64 r90; PIN_NUMBER "1" at 19.246,25.068 h0.64 r90
R43: PIN_NUMBER "2" at 17.754,25.068 h0.64 r270; PIN_NUMBER "1" at 17.754,25.932 h0.64 r270
R44: PIN_NUMBER "2" at 16.246,25.932 h0.64 r90; PIN_NUMBER "1" at 16.246,25.068 h0.64 r90
R45: PIN_NUMBER "1" at 10.583,31.42 h0.64 r270; PIN_NUMBER "2" at 10.583,30.556 h0.64 r270
R46: PIN_NUMBER "1" at 10.583,29.476 h0.64 r270; PIN_NUMBER "2" at 10.583,28.612 h0.64 r270
R47: PIN_NUMBER "1" at 8.175,27.65 h0.64; PIN_NUMBER "2" at 9.039,27.65 h0.64
R48: PIN_NUMBER "2" at 45.62,3.871 h0.64 r180; PIN_NUMBER "1" at 46.484,3.871 h0.64 r180
R49: PIN_NUMBER "2" at 45.62,5.106 h0.64 r180; PIN_NUMBER "1" at 46.484,5.106 h0.64 r180
TP10: Mechanical 14 "1" at 13.446,36.375 h1
TP11: Mechanical 14 "1" at 54.025,32.225 h1 r180
TP12: Mechanical 14 "1" at 53.475,35.975 h1
TP13: Mechanical 14 "1" at 2.265,38.275 h1 r90